# Allegro board DuoModule 01 Evaluation Board V1.1.brd (continued)
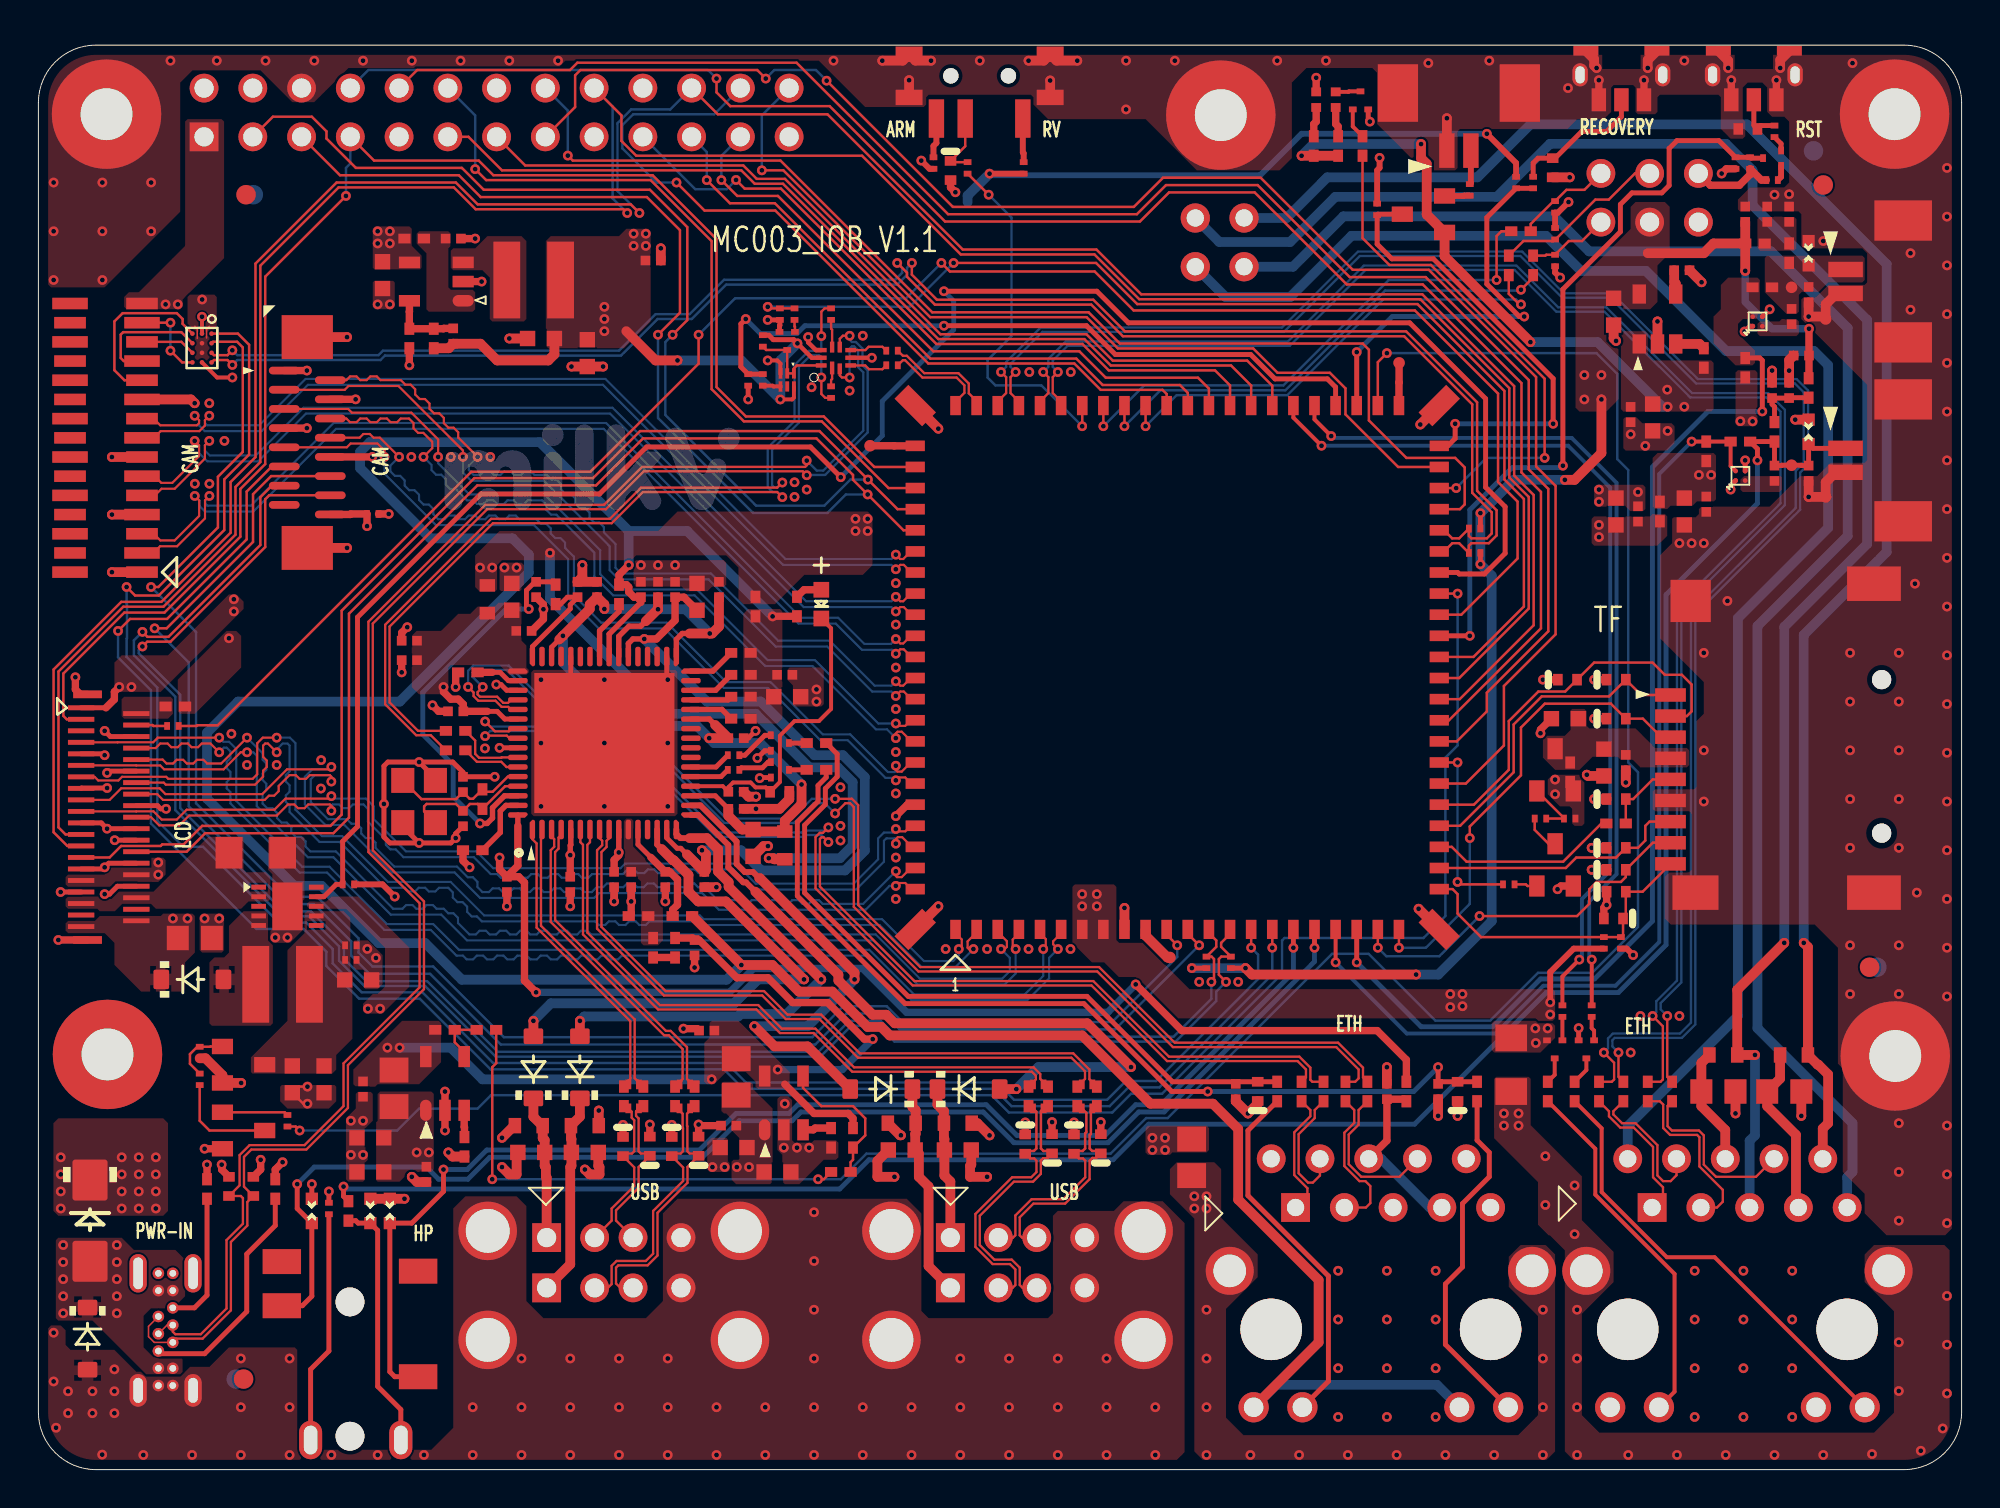
[diagram p0: board, top side]
## Routing (per net, layer and track width the routed paths; a pad name or vN(x,y) marks a point on that pad's centre or on a via; arc(x,y) is an arc through that point) (continued)
GND_EARTH:
  vias: v1(76.35,18.56) v1(76.35,17.93) v1(77.11,18.56) v1(77.11,17.93) v1(78.51,16.33) v1(78.51,13.79) v1(80.03,14.81) v1(80.03,12.27) v1(80.16,8.33) v1(80.16,5.79) v1(80.16,3.25) v1(80.16,0.76) v1(82.83,0.76) v1(85.37,0.76) v1(87.91,0.76) v1(90.45,0.76) v1(92.99,0.76) v1(95.53,0.81) v1(96.92,6.64) v1(96.92,4.1) v1(98.07,0.98) v1(99.21,2.14) v1(99.43,9.05) v1(99.43,6.51) v1(99.43,3.97)
VBUS:
  vias: v1(1.29,11.7) v1(1.29,10.81) v1(1.29,9.93) v1(1.29,9.04) v1(1.29,8.15) v1(4.09,11.7) v1(4.09,10.81) v1(4.09,9.93) v1(4.09,9.04) v1(4.09,8.15)
VBUS_DET: length 37.4
  TOP w0.254: R31.2 R33.1 36.6,57.47 36.6,59.71 v1(36.85,59.96) ; v1(47.18,59.61) 54.6,59.61 56.11,58.11 63.16,58.11 64.43,56.84 67.15,56.84 67.58,56.41 J6.48
  BOTTOM w0.254: v1(36.85,59.96) 37.61,59.2 39.52,59.2 39.93,59.61 v1(47.18,59.61)
VBUS_EN: length 121.4
  TOP w0.127: R77.2 23.85,21.18 23.64,20.97 v1(23.64,15.13) ; v1(40.62,15.13) 40.92,15.13 R85.2 ; J6.46 69.78,57.71 v1(70.25,58.19)
  BOTTOM w0.127: v1(23.64,15.13) v1(40.62,15.13) 41.8,15.13 43.14,16.47 55.86,16.47 57.71,18.32 58.84,18.32 67.4,26.88 69.3,26.88 72.78,23.4 75.64,23.4 78.13,25.89 80.94,25.89 83.33,28.28 83.33,36.34 82.83,36.85 82.83,52.09 82.25,52.66 82.25,57.11 81.17,58.19 70.25,58.19 v1(70.25,58.19)
VCC5V0_USB1: length 1.7
  TOP w0.508: v1(24.15,17.29) 24.79,17.93 R46.1 ; v1(29.19,18.71) R47.1
  vias: v1(19.71,16.53) v1(20.34,16.53)
VCC5V0_USB2: length 2.1
  TOP w0.508: v1(44.94,17.42) 44.88,17.42 R45.1 ; R44.1 48.92,18.05 v1(49.55,17.42)
  vias: v1(36.39,15.77) v1(37.02,15.77)
VCC_LEDA:
  vias: v1(7.01,28.72) v1(7.77,28.72) v1(17.17,24.02) v1(17.8,24.02)
VDD18CORE: length 38.3
  TOP w0.254: U1.15 32.74,32.92 33.27,32.38 33.47,32.38 33.79,32.06
  TOP w0.279: U1.38 30.74,43.05 30.97,43.29 v1(31.56,43.29)
  TOP w0.381: v1(31.56,43.29) 32.2,43.29 33.17,44.26 C25.1 33.63,45.47 C23.1
  TOP w0.508: 33.79,32.06 C24.1 34.78,31.24 34.78,32.07 v1(34.57,32.27)
  BOTTOM w0.508: v1(31.56,43.29) 34.83,40.02 37.63,40.02 40.43,37.23 41.91,37.23 43.06,36.09 43.06,32.26 42.02,31.23 37.66,31.23 36.61,32.27 v1(34.57,32.27)
VDD18ETHPLL: length 5.4
  TOP w0.254: FB1.2 27.2,45.1 27.56,45.47 C2.1 28.09,45.45 27.71,45.07 27.71,44.86 25.74,42.89 U1.48
VDD18USBPLL: length 21.1
  TOP w0.254: v1(25.55,44.85) 25.43,44.97 25.43,45.82 25.87,46.27 C1.1 26.8,46.27 FB1.1
  TOP w0.279: v1(23.01,33.67) 23.38,33.67 23.66,33.95 23.66,34.49 24.28,35.12 U1.62
  BOTTOM w0.254: v1(23.01,33.67) 21.61,35.07 21.61,36.72 20.02,38.31 20.02,40.5 24.37,44.85 v1(25.55,44.85)
VDD_BAT: length 24.1
  TOP w0.254: 72.98,53.35 73.42,53.35 73.81,53.74 v1(73.81,54.5) ; D22.3 69.79,65.42 C85.2 69.74,63.87 70.51,63.1 72.67,63.1 78.91,56.86 v1(78.91,54.5)
  BOTTOM w0.254: v1(73.81,54.5) v1(78.91,54.5)
ADC1: length 25.3
  TOP w0.127: v1(77.24,60.73) 77.15,60.73 76.6,61.27 R112.2 ; J6.57 v1(57.68,54.38)
  BOTTOM w0.127: v1(77.24,60.73) 76.98,60.98 70.05,60.98 65.07,55.99 59.3,55.99 v1(57.68,54.38)
ADC2: length 25.7
  TOP w0.127: J6.58 v1(56.58,54.38) ; R113.2 77.87,62.12 v1(77.24,61.49)
  BOTTOM w0.127: v1(77.24,61.49) 77.19,61.44 70.16,61.44 64.96,56.25 58.45,56.25 v1(56.58,54.38)
ADC3: length 27.9
  TOP w0.127: 76.73,64.54 76.22,64.54 75.97,64.28 v1(75.97,62) ; J6.59 v1(55.48,54.38)
  BOTTOM w0.127: v1(75.97,62) 70.35,62 64.86,56.5 57.61,56.5 v1(55.48,54.38)
ARM_RISV_SWITCH: length 19.1
  TOP w0.127: J6.60 54.38,54.38 v1(54.38,54.38) ; R9.1 v1(49.51,66.44)
  BOTTOM w0.127: v1(49.51,66.44) 50.69,65.25 50.69,59.07 49.45,57.83 49.45,56.91 49.86,56.5 52.25,56.5 v1(54.38,54.38)
AUDIO_IN_L: length 52.5
  TOP w0.203: U11.A2 88.16,52.3 88.16,53.58 R93.1 v1(86.13,53.58) ; J6.19 v1(67.58,26.44)
  BOTTOM w0.203: v1(67.58,26.44) 71.29,22.73 75.92,22.73 78.4,25.22 82.16,25.22 84.44,27.5 84.44,51.89 v1(86.13,53.58)
AUDIO_IN_R: length 55
  TOP w0.254: v1(68.68,26.44) J6.20 ; R101.1 89.68,57.93 89.81,57.8 v1(89.81,55.15)
  BOTTOM w0.254: v1(89.81,55.15) 86.98,55.15 84.09,52.25 84.09,28.58 81.07,25.57 78.26,25.57 75.77,23.08 72.03,23.08 v1(68.68,26.44)
AUDIO_OUT_L: length 66
  TOP w0.254: J5.6 18.57,4.84 18.31,5.1 ED15.1 19.45,12.85 21.1,14.5 v1(21.1,15.64) ; J6.17 v1(65.38,27.2)
  BOTTOM w0.254: v1(65.38,27.2) 65.38,25.91 58.49,19.02 57.17,19.02 55.57,17.42 50.98,17.42 49.38,19.02 39.56,19.02 39.11,18.56 36.34,18.56 34.44,16.66 23.36,16.66 22.34,15.64 v1(21.1,15.64)
AUDIO_OUT_R: length 69.3
  TOP w0.254: J5.3 13.75,8.54 14.25,9.04 ED14.1 13.48,13.61 v1(13.48,14.88) ; J6.18 v1(66.48,27.2)
  BOTTOM w0.254: v1(66.48,27.2) 66.48,26.47 58.65,18.64 57.32,18.64 55.72,17.04 50.82,17.04 49.22,18.64 39.72,18.64 39.26,18.18 36.5,18.18 34.6,16.28 23.52,16.28 22.37,15.13 20.85,15.13 20.21,15.77 14.37,15.77 v1(13.48,14.88)
EPHY_LNK_LED: length 45.7
  TOP w0.203: v1(80.92,26.58) 80.92,24.2 R111.2 ; J6.49 66.48,54.73 v1(67.35,53.86)
  BOTTOM w0.203: v1(67.35,53.86) 67.45,53.77 79.88,53.77 82.22,51.43 82.22,31.03 80.79,29.61 80.79,26.71 v1(80.92,26.58)
EPHY_RXN: length 84.3
  TOP w0.119: v1(84.86,23.64) 84.86,20.47 85.11,20.21 ; J6.62 52.18,55.67 52.62,56.1 52.62,56.93 v1(52.35,57.2)
  BOTTOM w0.119: v1(52.35,57.2) 52.62,57.47 52.62,57.89 53.52,58.79 65.09,58.79 69.05,62.75 77,62.75 79.18,60.57 81.68,60.57 86.15,56.1 90.11,56.1 90.99,55.23 90.99,50.27 85.59,44.87 85.59,25.39 84.52,24.31 84.52,23.98 v1(84.86,23.64)
EPHY_RXP: length 84.3
  TOP w0.119: 83.84,20.21 84.51,20.21 84.63,20.33 84.63,23.11 v1(84.1,23.64) ; J6.61 53.28,55.67 52.85,56.1 52.85,56.93 v1(53.11,57.2)
  BOTTOM w0.119: v1(53.11,57.2) 52.85,57.47 52.85,57.8 53.61,58.56 65.19,58.56 69.14,62.52 76.91,62.52 79.08,60.34 81.59,60.34 86.06,55.88 90.02,55.88 90.76,55.14 90.76,50.36 85.36,44.96 85.36,25.49 84.29,24.41 84.29,23.83 v1(84.1,23.64)
EPHY_SPD_LED: length 46.7
  TOP w0.203: J6.50 65.38,54.82 v1(66.85,53.36) ; v1(80.28,26.58) 79.4,25.7 R109.2
  BOTTOM w0.203: v1(80.28,26.58) 80.41,26.72 80.41,29.74 81.89,31.21 81.89,51.17 79.7,53.36 v1(66.85,53.36)
EPHY_TXN: length 92.4
  TOP w0.119: 82.57,20.21 82.32,20.47 v1(82.32,21.74) ; J6.64 49.98,55.67 50.42,56.1 50.42,56.93 v1(50.15,57.2)
  BOTTOM w0.119: v1(82.32,21.74) 82,22.05 82,22.38 82.12,22.5 85.62,22.5 86.32,23.2 86.32,44.57 91.78,50.03 91.78,51.96 92.19,52.37 92.19,56.24 91.6,56.83 86.45,56.83 81.99,61.3 79.48,61.3 77.3,63.48 68.75,63.48 64.79,59.52 52.21,59.52 50.42,57.72 50.42,57.47 v1(50.15,57.2)
EPHY_TXP: length 92.4
  TOP w0.119: v1(81.56,21.74) 82.09,21.2 82.09,20.33 81.97,20.21 81.3,20.21 ; v1(50.91,57.2) 50.65,56.93 50.65,56.1 51.08,55.67 J6.63
  BOTTOM w0.119: v1(50.91,57.2) 50.65,57.47 50.65,57.63 52.31,59.29 64.89,59.29 68.84,63.25 77.21,63.25 79.38,61.07 81.89,61.07 86.36,56.6 91.51,56.6 91.97,56.14 91.97,52.47 91.55,52.06 91.55,50.12 86.09,44.66 86.09,23.3 85.53,22.73 82.03,22.73 81.77,22.47 81.77,21.95 v1(81.56,21.74)
GRN_C: length 23.7
  TOP w0.203: JP2.14 87.33,11.07 84.84,11.07 81.44,14.47 81.44,17.79 R110.1
GRN_C_18395452: length 48.3
  TOP w0.254: R49.1 41.04,36.08 40.62,35.65 40.62,34.82 39.54,33.74 39.54,29.9 45.15,24.28 54.47,24.28 59.05,19.7 v1(60.92,19.7) ; 74.95,20.21 73.03,20.21 C34.1 v1(72.92,20.97)
  BOTTOM w0.254: v1(72.92,20.97) 71.65,19.7 v1(60.92,19.7)
I2C3_SENSOR0_SCL: length 89.5
  TOP w0.127: v1(5.42,43.66) 5.68,43.4 6.78,43.4 11.56,48.19 11.56,50.68 12.16,51.28 J8.13 ; v1(61.87,25.42) 61.5,25.79 61.5,26.61 61.63,26.74 R99.1 61.62,27.24 61.62,27.45 62.08,27.92 J6.14
  BOTTOM w0.127: v1(61.87,25.42) 61.36,24.91 61.36,24.43 59.25,22.31 44.6,22.31 43.77,23.13 42.35,23.13 40.74,21.52 23.83,21.52 20.14,25.2 16.98,25.2 15.66,26.52 15.66,27.27 14.09,28.84 12.67,28.84 7.13,34.37 7.13,40.28 4.97,42.44 4.97,43.21 v1(5.42,43.66)
I2C3_SENSOR0_SDA: length 89.5
  TOP w0.127: v1(5.42,42.9) 5.67,43.15 6.88,43.15 11.82,48.08 11.82,50.57 12.02,50.78 J8.14 ; v1(61.11,25.42) 61.25,25.56 61.25,26.61 61.12,26.74 R96.1 61.36,27.24 61.36,27.58 60.98,27.96 J6.13
  BOTTOM w0.127: v1(5.42,42.9) 5.23,42.71 5.23,42.54 7.39,40.38 7.39,34.47 12.77,29.09 14.2,29.09 15.92,27.37 15.92,26.63 17.09,25.46 20.25,25.46 23.93,21.77 40.63,21.77 42.25,23.39 43.88,23.39 44.7,22.56 59.14,22.56 61.11,24.53 v1(61.11,25.42)
I2C_SENSOR1_SCL: length 82.6
  TOP w0.127: v1(10.1,58.33) 9.85,58.08 9.15,58.08 U12.C3 ; v1(44.74,62.88) 45.25,62.38 45.25,62.17 46.71,60.71 54.85,60.71 56.5,59.06 71.15,59.06 74.7,55.52 74.7,50.91 75.71,49.89 75.71,48.79 75.46,48.53 74.65,48.53 74.53,48.66 R97.1 74.02,48.53 73.65,48.53 73.23,48.95 J6.40
  BOTTOM w0.127: v1(10.1,58.33) 10.36,58.08 17.72,58.08 17.95,58.31 30.25,58.31 32.15,60.22 33.93,60.22 35.72,62.01 44.63,62.01 45,62.37 45,62.63 v1(44.74,62.88)
I2C_SENSOR1_SCL_3V3: length 2.9
  TOP w0.127: U12.C1 7.45,58.77 J10.3
I2C_SENSOR1_SDA: length 83.2
  TOP w0.127: v1(10.1,57.57) 9.85,57.82 9.15,57.82 U12.D3 ; v1(45.51,62.88) 45.51,62.27 46.81,60.97 54.96,60.97 56.61,59.32 71.26,59.32 74.95,55.62 74.95,51.01 75.97,49.99 75.97,48.68 75.57,48.28 74.65,48.28 74.53,48.15 R100.1 74.02,48.28 73.66,48.28 73.23,47.85 J6.39
  BOTTOM w0.127: v1(10.1,57.57) 10.36,57.82 17.82,57.82 18.06,58.06 30.35,58.06 32.26,59.96 34.04,59.96 35.83,61.75 44.74,61.75 45.25,62.27 45.25,62.63 v1(45.51,62.88)
I2C_SENSOR1_SDA_3V3: length 4.3
  TOP w0.127: U12.D1 7.49,57.7 v1(6.88,58.31) ; J10.2 v1(6.88,59.77)
  BOTTOM w0.127: v1(6.88,58.31) v1(6.88,59.77)
LCD_PWM: length 100.7
  TOP w0.254: v1(47.18,61.41) 55.14,61.41 56.79,59.76 71.44,59.76 75.4,55.81 75.4,51.19 76.41,50.18 76.41,47.75 75.34,46.67 74.02,46.67 73.94,46.75 J6.38 ; v1(41.8,51.72) 40.22,53.3 31.69,53.3 29.24,50.85 23.05,50.85 16.62,44.42 16.62,33.51 15.85,32.74 R71.1 15.52,30.5 14.87,29.86 U4.9
  BOTTOM w0.254: v1(41.8,51.72) 43.96,53.88 43.96,55.68 47.68,59.4 47.68,60.9 v1(47.18,61.41)
LCD_PWR_CT: length 84.8
  TOP w0.127: 72.98,45.65 v1(73.94,45.65) ; v1(13.61,17.67) 13.4,17.88 R74.1
  BOTTOM w0.127: v1(13.61,17.67) 18.69,17.67 19.83,18.82 22.88,18.82 23.58,19.51 49.66,19.51 50.56,18.61 55.95,18.61 56.93,19.59 58.54,19.59 64.79,25.84 64.79,27.58 64.92,27.71 72.16,27.71 73.3,28.85 73.3,37.1 73.94,37.74 v1(73.94,45.65)
LCD_RST: length 96.7
  TOP w0.127: R70.1 8.24,38.75 8.28,38.79 9.34,38.79 22.55,52 28.76,52 34.4,57.64 v1(34.4,59.14) ; 72.98,44.55 74.13,44.55 77.06,47.48 77.06,50.45 76.04,51.46 76.04,56.08 71.71,60.41 57.06,60.41 55.03,62.44 47.49,62.44 v1(47.04,62.88)
  BOTTOM w0.127: v1(34.4,59.14) 36.3,61.04 45.2,61.04 v1(47.04,62.88)
MICIN_L: length 110.9
  TOP w0.254: J9.1 92.45,53.22 ED17.1 C68.2 91.86,52.32 91.84,52.34 TP21.1 90.83,52.34 90.81,52.32 C71.2 R91.1 R92.2 89.56,53.19 v1(89.56,52.6) ; R89.1 15.9,14.24 v1(15.9,14.75)
  BOTTOM w0.254: v1(15.9,14.75) 16.02,14.62 41.75,14.62 43.27,16.15 55.99,16.15 57.84,18 71.69,18 78.55,24.86 82.31,24.86 84.8,27.35 84.8,45.6 89.56,50.36 v1(89.56,52.6)
MIPI0_DN0: length 41.3
  TOP w0.112: v1(44.67,41.08) 44.9,40.85 45.05,40.85 45.45,41.25 J6.78 ; v1(22.88,52.78) 21.87,53.79 21.87,54.06 21.63,54.3 21.36,54.3 21.12,54.54 21.12,54.81 20.89,55.05 20.61,55.05 20.38,55.28 20.38,55.56 20.14,55.79 19.87,55.79 19.63,56.03 19.63,56.3 19.39,56.54 19.12,56.54 18.88,56.78 17.82,56.78 17.63,56.97 17.29,56.97 17.1,56.78 16.77,56.78 16.57,56.97 16.24,56.97 16.04,56.78 J8.2
  BOTTOM w0.112: v1(44.67,41.08) 44.44,40.85 43.56,40.85 41.22,43.2 38.54,43.2 35.04,46.7 30.36,46.7 30.07,47 30.07,48.24 29.46,48.85 29.46,49.12 29.22,49.36 28.95,49.36 28.71,49.59 28.71,49.87 28.48,50.1 28.2,50.1 27.97,50.34 27.97,50.61 27.73,50.85 27.46,50.85 27.22,51.09 27.22,51.36 26.98,51.6 26.71,51.6 26.47,51.84 25.85,51.84 25.65,52.03 25.32,52.03 25.13,51.84 24.79,51.84 24.6,52.03 24.26,52.03 24.07,51.84 23.73,51.84 23.54,52.03 23.21,52.03 23.01,51.84 22.68,51.84 22.42,52.09 22.42,52.32 v1(22.88,52.78)
MIPI0_DN1: length 41.3
  TOP w0.112: J8.5 16.14,55.28 16.33,55.08 19.43,55.08 20.82,53.69 v1(20.82,52.78) ; v1(44.67,38.88) 44.79,38.76 45.16,38.76 45.45,39.05 J6.80
  BOTTOM w0.112: v1(20.82,52.78) 20.82,52.45 22.45,50.82 26.36,50.82 29.27,47.91 29.27,46.67 30.07,45.87 34.31,45.87 37.99,42.18 40.46,42.18 43.76,38.88 v1(44.67,38.88)
MIPI0_DN2: length 42.3
  TOP w0.112: J6.82 45.45,36.85 44.98,36.38 44.75,36.38 44.67,36.45 v1(44.67,36.68) ; J8.8 16.74,53.78 16.93,53.97 17.26,53.97 17.46,53.78 17.79,53.78 v1(18.79,52.78)
  BOTTOM w0.112: v1(18.79,52.78) 18.34,52.32 18.34,52.03 18.57,51.79 18.85,51.79 19.08,51.55 19.08,51.28 19.32,51.04 19.59,51.04 19.83,50.8 19.83,50.53 20.07,50.29 20.34,50.29 20.58,50.06 20.58,49.78 20.83,49.53 21.17,49.53 21.36,49.72 21.7,49.72 21.89,49.53 22.22,49.53 22.42,49.72 22.75,49.72 22.95,49.53 23.28,49.53 23.47,49.72 23.81,49.72 24,49.53 24.34,49.53 24.53,49.72 24.87,49.72 25.06,49.53 25.94,49.53 26.18,49.29 26.45,49.29 26.69,49.06 26.69,48.78 26.93,48.54 27.2,48.54 27.44,48.31 27.44,48.03 27.9,47.57 27.9,45.56 29.32,44.14 32.74,44.14 35.84,41.04 38.14,41.04 40.86,38.32 42.29,38.32 44.26,36.35 44.61,36.35 44.67,36.42 v1(44.67,36.68)
MIPI0_DN3: length 49.7
  TOP w0.112: J6.76 45.45,43.45 45.05,43.05 44.9,43.05 v1(44.67,43.28) ; J10.14 5.99,47.77 6.34,48.12 7.22,48.12 8.68,49.57 8.68,50.51 v1(8.91,50.74)
  BOTTOM w0.112: v1(44.67,43.28) 44.42,43.03 43.03,43.03 41.67,44.39 39.73,44.39 29.58,54.54 15.38,54.54 11.07,50.24 8.81,50.24 8.7,50.35 8.7,50.53 v1(8.91,50.74)
MIPI0_DN4: length 48.4
  TOP w0.112: J10.11 6.07,50.77 6.42,51.12 7.1,51.12 8.68,52.69 8.68,53.38 v1(8.9,53.61) ; v1(44.67,45.48) 44.9,45.25 45.05,45.25 45.45,45.65 45.68,45.65
  BOTTOM w0.112: v1(8.9,53.61) 8.68,53.38 8.68,53.11 8.93,52.85 11.32,52.85 13.81,55.34 29.91,55.34 39.99,45.25 44.44,45.25 v1(44.67,45.48)
MIPI0_DN5: length 46.9
  TOP w0.112: J6.72 45.45,47.85 45.05,47.45 44.9,47.45 v1(44.67,47.68) ; J10.8 6.02,53.77 6.37,54.12 8.38,54.12 8.68,54.41 8.68,54.69 v1(8.9,54.92)
  BOTTOM w0.112: v1(44.67,47.68) 44.44,47.45 38.92,47.45 29.54,56.84 13.92,56.84 11.5,54.43 8.79,54.43 8.68,54.54 8.68,54.7 v1(8.9,54.92)
MIPI0_DP0: length 41.3
  TOP w0.112: v1(44.67,40.32) 44.9,40.55 45.08,40.55 45.48,40.15 J6.79 ; J8.3 12.81,56.27 15.96,56.27 16.16,56.47 18.76,56.47 22.12,53.11 v1(22.12,52.78)
  BOTTOM w0.112: v1(22.12,52.78) 22.12,51.96 22.55,51.53 26.35,51.53 29.76,48.12 29.76,46.87 30.24,46.39 34.91,46.39 38.41,42.89 41.09,42.89 43.44,40.55 44.44,40.55 v1(44.67,40.32)
MIPI0_DP1: length 41.3
  TOP w0.112: J6.81 45.48,37.95 44.98,38.46 44.76,38.46 44.67,38.37 v1(44.67,38.12) ; v1(20.06,52.78) 20.52,53.23 20.52,53.56 20.05,54.03 19.78,54.03 19.54,54.27 19.54,54.54 19.31,54.78 18.88,54.78 18.69,54.58 18.35,54.58 18.16,54.78 17.82,54.78 17.63,54.58 17.29,54.58 17.1,54.78 16.77,54.78 16.57,54.58 16.24,54.58 16.04,54.78 J8.6
  BOTTOM w0.112: v1(20.06,52.78) 20.48,52.36 20.48,52.09 20.72,51.85 20.99,51.85 21.23,51.61 21.23,51.34 21.47,51.1 21.74,51.1 22.32,50.51 22.66,50.51 22.85,50.32 23.19,50.32 23.38,50.51 23.72,50.51 23.91,50.32 24.25,50.32 24.44,50.51 24.77,50.51 24.97,50.32 25.3,50.32 25.49,50.51 26.23,50.51 26.47,50.28 26.47,50 26.71,49.77 26.98,49.77 28.96,47.79 28.96,46.54 29.94,45.56 34.19,45.56 37.87,41.88 40.33,41.88 43.63,38.58 44.21,38.58 v1(44.67,38.12)
MIPI0_DP2: length 42.3
  TOP w0.112: J6.83 45.48,35.75 45.16,36.07 44.82,36.07 v1(44.67,35.92) ; J8.9 16.07,53.28 16.26,53.47 17.67,53.47 18.03,53.11 v1(18.03,52.78)
  BOTTOM w0.112: v1(44.67,35.92) 44.54,36.05 44.13,36.05 42.17,38.01 40.74,38.01 38.01,40.74 35.71,40.74 32.61,43.83 29.19,43.83 27.6,45.43 27.6,47.44 25.82,49.22 20.71,49.22 18.03,51.9 v1(18.03,52.78)
MIPI0_DP3: length 49.7
  TOP w0.112: J10.13 6.01,48.77 6.36,48.42 7.1,48.42 8.38,49.7 8.38,50.51 v1(8.15,50.74) ; v1(44.67,42.52) 44.9,42.75 45.08,42.75 45.48,42.35 J6.77
  BOTTOM w0.112: v1(44.67,42.52) 44.47,42.72 42.9,42.72 41.54,44.09 39.6,44.09 29.45,54.24 15.51,54.24 11.2,49.93 8.68,49.93 8.39,50.22 8.39,50.5 v1(8.15,50.74)
MIPI0_DP4: length 48.4
  TOP w0.112: 45.68,44.55 45.48,44.55 45.08,44.95 44.9,44.95 v1(44.67,44.72) ; J10.10 6.06,51.77 6.4,51.42 6.98,51.42 8.37,52.82 8.37,53.38 v1(8.14,53.61)
  BOTTOM w0.112: v1(44.67,44.72) 44.44,44.95 39.87,44.95 29.78,55.04 13.94,55.04 11.45,52.55 8.8,52.55 8.37,52.98 8.37,53.38 v1(8.14,53.61)
MIPI0_DP5: length 46.9
  TOP w0.112: v1(44.67,46.92) 44.9,47.15 45.08,47.15 45.48,46.75 J6.73 ; v1(8.14,54.92) 8.37,54.69 8.37,54.54 8.26,54.42 6.35,54.42 6,54.77 J10.7
  BOTTOM w0.112: v1(44.67,46.92) 44.44,47.15 38.8,47.15 29.41,56.53 14.04,56.53 11.63,54.12 8.66,54.12 8.37,54.41 8.37,54.69 v1(8.14,54.92)
MIPI_TX_0N: length 60.4
  TOP w0.112: J6.5 52.18,27.95 52.48,27.65 52.48,27.26 v1(52.35,27.13) ; U5.7 4.12,37.9 4.13,37.91 5.98,37.91 6.22,38.14 v1(9.42,38.14)
  BOTTOM w0.112: v1(9.42,38.14) 9.64,37.93 9.93,37.93 10.31,37.55 10.31,34.85 13.74,31.42 15.16,31.42 18.15,28.43 20.57,28.43 21.91,27.09 43.29,27.09 45.62,24.76 51.39,24.76 52.35,25.73 v1(52.35,27.13)
MIPI_TX_0P: length 60.4
  TOP w0.112: J6.6 53.28,27.95 52.87,27.53 52.87,27.38 v1(53.11,27.13) ; U5.8 6.11,37.6 6.35,37.84 6.73,37.84 6.92,37.65 7.26,37.65 7.45,37.84 7.79,37.84 7.98,37.65 8.32,37.65 8.51,37.84 8.96,37.84 v1(9.42,37.38)
  BOTTOM w0.112: v1(9.42,37.38) 9.66,37.62 9.81,37.62 10,37.43 10,37.08 9.81,36.89 9.81,36.55 10,36.36 10,36.03 9.81,35.83 9.81,35.5 10,35.31 10,34.72 13.61,31.11 15.04,31.11 18.03,28.13 20.44,28.13 21.78,26.79 22.12,26.79 22.31,26.59 22.65,26.59 22.84,26.79 23.17,26.79 23.37,26.59 23.7,26.59 23.9,26.79 24.23,26.79 24.42,26.59 24.76,26.59 24.95,26.79 25.44,26.79 25.64,26.59 25.97,26.59 26.16,26.79 26.5,26.79 26.69,26.59 27.03,26.59 27.22,26.79 27.56,26.79 27.75,26.59 28.08,26.59 28.28,26.79 28.61,26.79 28.81,26.59 29.14,26.59 29.33,26.79 29.67,26.79 29.86,26.59 30.2,26.59 30.39,26.79 43.16,26.79 45.49,24.46 51.51,24.46 52.65,25.6 52.65,26.67 v1(53.11,27.13)
MIPI_TX_1N: length 58.4
  TOP w0.112: U5.10 6.47,37 6.68,36.8 7.01,36.8 7.21,36.99 7.54,36.99 7.73,36.8 8.07,36.8 8.26,36.99 8.6,36.99 8.79,36.8 9.52,36.8 v1(10.87,38.14) ; J6.3 49.98,28.01 50.45,27.54 50.45,27.24 50.35,27.13 v1(50.15,27.13)
  BOTTOM w0.112: v1(50.15,27.13) 50.61,26.67 50.61,25.98 50.21,25.59 45.92,25.59 43.62,27.89 28.79,27.89 28.6,28.08 28.27,28.08 28.07,27.89 27.74,27.89 27.54,28.08 27.21,28.08 27.02,27.89 26.68,27.89 26.49,28.08 26.15,28.08 25.96,27.89 25.62,27.89 25.43,28.08 25.1,28.08 24.9,27.89 24.57,27.89 24.37,28.08 24.04,28.08 23.85,27.89 23.51,27.89 23.32,28.08 22.98,28.08 22.79,27.89 22.45,27.89 21.86,28.48 21.86,28.76 21.62,28.99 21.35,28.99 21.11,29.23 20.74,29.23 20.55,29.42 20.21,29.42 20.02,29.23 19.69,29.23 19.49,29.42 19.16,29.42 18.97,29.23 18.48,29.23 15.5,32.22 14.17,32.22 13.92,32.46 13.92,32.74 13.68,32.97 13.41,32.97 13.17,33.21 13.17,33.48 12.94,33.72 12.66,33.72 12.43,33.96 12.43,34.23 12.19,34.47 11.92,34.47 11.68,34.71 11.68,35.22 11.87,35.41 11.87,35.75 11.68,35.94 11.68,36.28 11.87,36.47 11.87,36.8 11.68,37 11.68,37.33 v1(10.87,38.14)
MIPI_TX_1P: length 58.4
  TOP w0.112: v1(10.87,37.38) 10.54,37.38 9.65,36.49 6.55,36.49 6.35,36.7 5.1,36.7 5.1,36.7 U5.11 ; v1(50.91,27.13) 50.76,27.28 50.76,27.63 51.08,27.95 J6.4
  BOTTOM w0.112: v1(50.91,27.13) 50.91,25.85 50.34,25.28 45.8,25.28 43.49,27.58 22.33,27.58 20.99,28.92 18.36,28.92 15.37,31.91 14.04,31.91 11.38,34.58 11.38,37.21 11.2,37.38 v1(10.87,37.38)
MIPI_TX_2N: length 56.3
  TOP w0.112: U5.13 2.93,36.1 3.12,35.92 4.17,35.92 4.36,36.11 6.66,36.11 6.76,36 11.16,36 11.4,36.24 11.4,37.86 11.69,38.14 v1(12.41,38.14) ; v1(47.95,27.13) 48.1,27.28 48.1,27.63 47.78,27.95 J6.1
  BOTTOM w0.112: v1(47.95,27.13) 47.95,26.8 47.66,26.5 46.13,26.5 43.95,28.69 34.65,28.69 34.46,28.88 23.23,28.88 21.48,30.63 18.21,30.63 15.83,33.01 14.77,33.01 13.39,34.4 13.39,37.86 13.1,38.14 v1(12.41,38.14)
MIPI_TX_2P: length 56.3
  TOP w0.112: U5.14 6.53,35.8 6.64,35.7 11.29,35.7 11.71,36.11 11.71,36.42 11.9,36.62 11.9,36.95 11.71,37.14 11.71,37.73 11.82,37.84 11.96,37.84 v1(12.41,37.38) ; v1(48.71,27.13) 48.48,27.13 48.41,27.2 48.41,27.53 48.88,28 J6.2
  BOTTOM w0.112: v1(48.71,27.13) 47.78,26.2 46.01,26.2 43.82,28.38 34.53,28.38 34.33,28.57 31.83,28.57 31.64,28.38 31.3,28.38 31.11,28.57 30.78,28.57 30.58,28.38 30.25,28.38 30.05,28.57 29.72,28.57 29.53,28.38 29.19,28.38 29,28.57 23.1,28.57 22.85,28.83 22.57,28.83 22.34,29.06 22.34,29.34 22.1,29.57 21.83,29.57 21.59,29.81 21.59,30.08 21.35,30.32 20.87,30.32 20.68,30.13 20.34,30.13 20.15,30.32 19.81,30.32 19.62,30.13 19.29,30.13 19.09,30.32 18.09,30.32 15.7,32.71 14.65,32.71 13.09,34.27 13.09,34.61 12.89,34.8 12.89,35.13 13.09,35.33 13.09,35.66 12.89,35.86 12.89,36.19 13.09,36.38 13.09,37.73 12.98,37.84 12.73,37.84 12.41,37.53 v1(12.41,37.38)
MIPI_TX_3N: length 52
  TOP w0.112: J6.87 45.45,31.35 44.98,30.88 44.73,30.88 44.67,30.94 v1(44.67,31.18) ; U5.16 6.19,35.2 6.49,34.9 11.79,34.9 12.01,35.12 12.28,35.12 12.52,35.36 12.52,35.63 13.08,36.19 13.41,36.19 13.61,36 13.94,36 14.14,36.19 15.18,36.19 15.26,36.11 v1(15.26,35.86)
  BOTTOM w0.112: v1(44.67,31.18) 42.97,29.48 40.86,29.48 40.67,29.68 40.33,29.68 40.14,29.48 39.8,29.48 39.61,29.68 39.27,29.68 39.08,29.48 38.75,29.48 38.55,29.68 38.22,29.68 38.02,29.48 37.69,29.48 37.5,29.68 37.16,29.68 36.97,29.48 36.63,29.48 36.44,29.68 36.1,29.68 35.91,29.48 35.58,29.48 34.71,30.35 34.37,30.35 34.17,30.55 33.84,30.55 33.65,30.35 33.31,30.35 33.12,30.55 32.78,30.55 32.59,30.35 32.25,30.35 32.06,30.55 31.73,30.55 31.53,30.35 31.2,30.35 31,30.55 30.67,30.55 30.48,30.35 30.14,30.35 29.95,30.55 29.61,30.55 29.42,30.35 29.08,30.35 28.83,30.1 28.44,30.1 28.25,30.29 27.92,30.29 27.72,30.1 27.39,30.1 27.19,30.29 26.86,30.29 26.67,30.1 26.33,30.1 26.14,30.29 25.8,30.29 25.61,30.1 25.27,30.1 25.08,30.29 24.75,30.29 24.55,30.1 24.19,30.1 24,30.29 23.66,30.29 23.47,30.1 23.14,30.1 22.87,30.36 22.87,30.63 22.64,30.87 22.36,30.87 21.81,31.42 18.54,31.42 17.56,32.4 17.56,32.68 17.33,32.91 17.05,32.91 16.82,33.15 16.82,33.42 16.58,33.66 16.31,33.66 16.07,33.9 15.08,33.9 14.19,34.79 14.19,35.98 14.4,36.19 15.18,36.19 15.26,36.11 v1(15.26,35.86)
MIPI_TX_3P: length 52
  TOP w0.112: U5.17 3.71,34.9 4.32,35.51 6.32,35.51 6.62,35.2 11.66,35.2 12.95,36.5 15.14,36.5 v1(15.26,36.62) ; J6.88 45.48,30.25 45.16,30.57 44.82,30.57 v1(44.67,30.42)
  BOTTOM w0.112: v1(44.67,30.42) 44.34,30.42 43.1,29.18 35.45,29.18 34.58,30.05 29.21,30.05 28.96,29.79 23.01,29.79 21.68,31.12 18.42,31.12 15.94,33.59 14.95,33.59 13.88,34.67 13.88,36.11 14.27,36.5 15.14,36.5 v1(15.26,36.62)
MIPI_TX_4N: length 48.6
  TOP w0.112: U5.19 5.1,34.3 5.1,34.31 5.99,34.31 6.42,33.88 7.21,33.88 7.72,34.39 12.3,34.39 12.87,34.97 15.13,34.97 v1(15.26,35.1) ; v1(44.67,33.38) 44.79,33.26 45.16,33.26 45.45,33.55 J6.85
  BOTTOM w0.112: v1(44.67,33.38) 44.49,33.2 44.05,33.2 43.75,32.9 43.75,31.81 42.48,30.54 37.37,30.54 36.32,31.58 30.57,31.58 30.33,31.34 23.69,31.34 22.81,32.22 19.15,32.22 17.47,33.9 17.47,34.56 17.06,34.97 15.39,34.97 v1(15.26,35.1)
MIPI_TX_4P: length 48.6
  TOP w0.112: U5.20 5.87,34 6.29,33.57 7.34,33.57 7.85,34.09 12.42,34.09 13,34.66 13.33,34.66 13.53,34.47 13.86,34.47 14.05,34.66 15.19,34.66 15.26,34.59 v1(15.26,34.33) ; J6.86 45.51,32.45 45,32.96 44.77,32.96 44.67,32.86 v1(44.67,32.62)
  BOTTOM w0.112: v1(15.26,34.33) 15.26,34.6 15.33,34.67 15.66,34.67 15.86,34.47 16.19,34.47 16.39,34.67 16.94,34.67 17.17,34.44 17.17,33.77 18.1,32.83 18.1,32.56 18.34,32.32 18.61,32.32 19.02,31.92 22.68,31.92 23.56,31.04 23.9,31.04 24.09,30.84 24.43,30.84 24.62,31.04 24.96,31.04 25.15,30.84 25.48,30.84 25.68,31.04 26.01,31.04 26.21,30.84 26.54,30.84 26.73,31.04 27.07,31.04 27.26,30.84 27.6,30.84 27.79,31.04 28.13,31.04 28.32,30.84 28.65,30.84 28.85,31.04 30.46,31.04 30.7,31.28 31.03,31.28 31.22,31.09 31.56,31.09 31.75,31.28 32.09,31.28 32.28,31.09 32.62,31.09 32.81,31.28 33.14,31.28 33.34,31.09 33.67,31.09 33.87,31.28 34.2,31.28 34.39,31.09 34.73,31.09 34.92,31.28 36.2,31.28 37.24,30.23 42.6,30.23 44.05,31.68 44.05,32.77 44.18,32.9 44.61,32.9 44.67,32.84 v1(44.67,32.62)
NFDX_LED: length 16.1
  TOP w0.203: U1.20 35.65,35.62 C22.1 35.94,35.56 36.19,35.81 37.11,35.81 37.36,35.55 37.89,35.55 ED3.1 38.63,35.83 38.63,38.25 39.39,39.01 40.66,39.01 41.3,39.64 41.3,43.85 LED2.2
NLNKA_LED: length 2.1
  TOP w0.254: U1.21 35.56,36.12 R55.2
NSPD_LED: length 2.2
  TOP w0.254: U1.22 35.3,36.62 R54.2
PHY_3V3: length 165.6
  TOP w0.279: U1.40 29.74,43.54 31.39,45.2
  TOP w0.381: v1(38.25,44.46) 38.25,44.47 R18.1 ; 31.39,45.2 C5.1 31.03,45.47 30.76,45.74 30.76,45.99 30.63,46.12 R20.2 30.25,46.63 v1(30.76,47.14)
  TOP w0.508: JP1.11 66.7,6.64 66.7,9.88 62.51,14.07 62.51,17.75 61.19,19.07 57.93,19.07 54.38,22.63 44.35,22.63 43.91,23.07 43.2,23.07 41.36,24.91 39.62,24.91 38.24,26.3 v1(36.62,26.3) 34.07,28.85 R21.1
  BOTTOM w0.508: v1(38.25,44.46) 33.8,48.91 30.76,48.91 ; 30.76,48.91 v1(30.76,47.14) ; 30.76,48.91 26.12,53.55 17.27,53.55 16.76,53.04 16.76,52.19 20.42,48.53 24.7,48.53 25.55,47.68 25.55,46.75 18.83,40.02 10.4,40.02 8.78,38.41 8.78,34.96 13.33,30.42 14.75,30.42 17.74,27.44 20.16,27.44 22.06,25.53 35.86,25.53 v1(36.62,26.3) ; JP1.11 64.48,4.42 72.86,4.42 JP1.13
PHY_RXN: length 7.9
  TOP w0.119: R119.1 68.78,18.74 68.78,17.98 68.26,17.46 68.26,15.92 68.92,15.26 70.91,15.26 JP1.6
PHY_RXP: length 7.9
  TOP w0.119: R118.1 68.55,18.74 68.55,18.07 68.04,17.56 68.04,15.82 68.82,15.03 69.13,15.03 69.39,14.78 69.39,13.89 69.16,13.66 JP1.3